# KiCad board keyboard.kicad_pcb (continued)
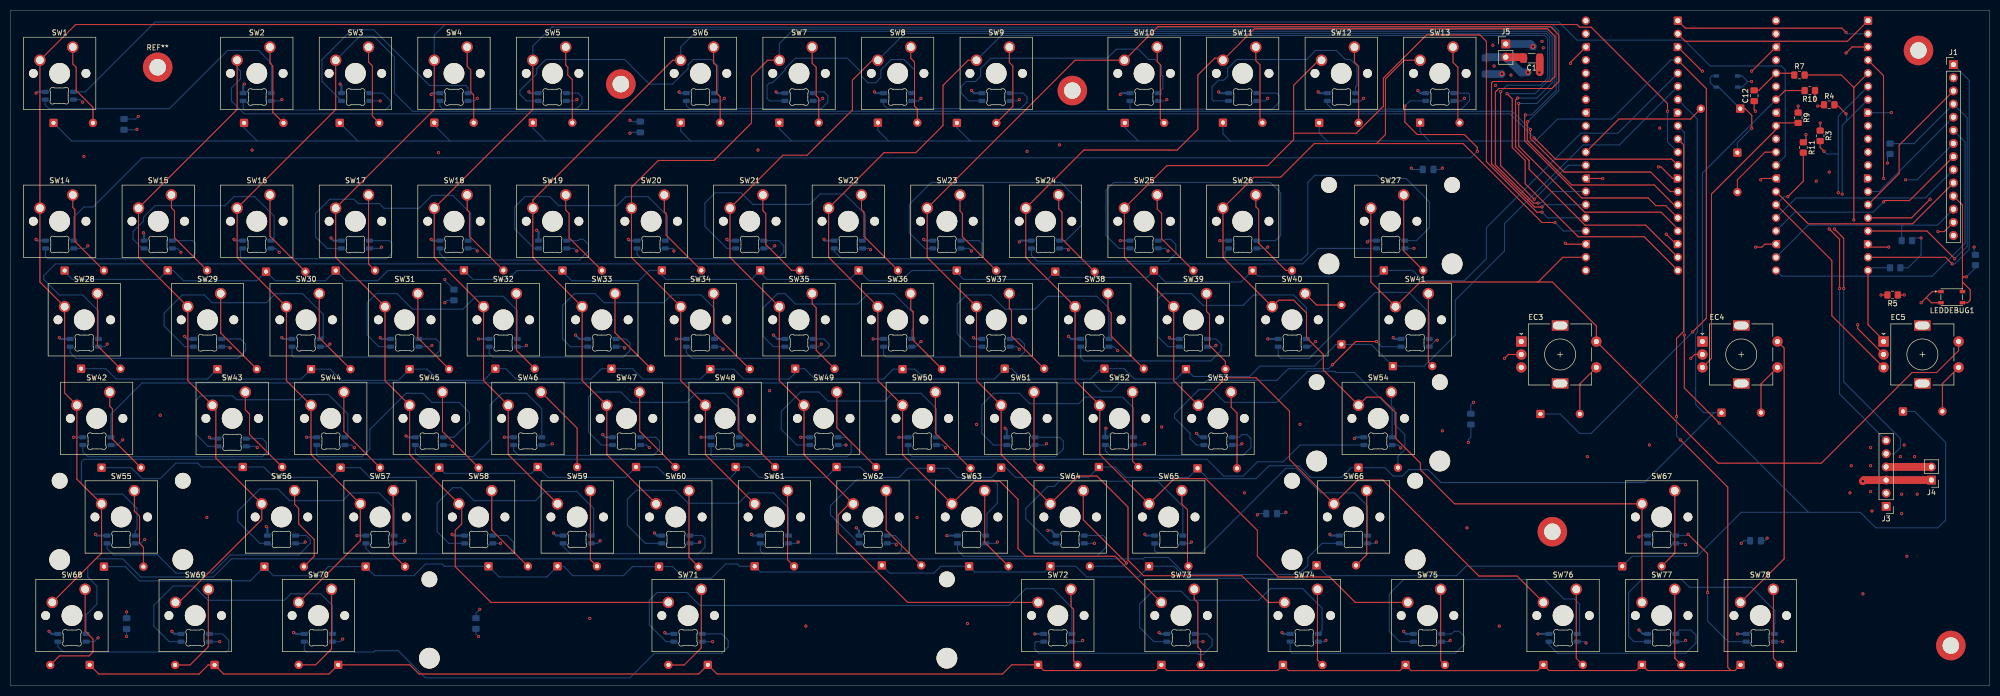
[diagram p0: board, top side]
## Footprints (pads in the part's own frame, mm; a bottom-side part is the same pattern mirrored in y, then rotated)
C_0805_2012Metric_Pad1.18x1.45mm_HandSolder
  rrect 1.175x1.45 smd: 1(-1.038,0) 2(1.038,0)
C_1206_3216Metric_Pad1.33x1.80mm_HandSolder
  rrect 1.325x1.8 smd: 1(-1.562,0) 2(1.562,0)
D_DO-35_SOD27_P7.62mm_Horizontal
  rrect 1.6x1.6 hole 0.8: 1(0,0)
  round 1.6 hole 0.8: 2(7.62,0)
LED_SK6812MINI-E_3.2x2.8mm_P1.5mm_ReverseMount
  rrect 1.35x0.82 smd: 1(-2.725,-0.75) 2(-2.725,0.75) 3(2.725,0.75) 4(2.725,-0.75)
MountingHole_3.2mm_M3_ISO7380_Pad
  round 5.7 hole 3.2: 1(0,0)
PinHeader_1x02_P2.54mm_Vertical
  rect 1.7x1.7 hole 1: 1(0,0)
  round 1.7 hole 1: 2(0,-2.54)
PinHeader_1x06_P2.54mm_Vertical
  rect 1.7x1.7 hole 1: 1(0,0)
  round 1.7 hole 1: 2(0,-2.54) 3(0,-5.08) 4(0,-7.62) 5(0,-10.16) 6(0,-12.7)
PinHeader_1x14_P2.54mm_Vertical
  rect 1.7x1.7 hole 1: 1(0,0)
  round 1.7 hole 1: 2(0,-2.54) 3(0,-5.08) 4(0,-7.62) 5(0,-10.16) 6(0,-12.7) 7(0,-15.24) 8(0,-17.78) 9(0,-20.32) 10(0,-22.86) 11(0,-25.4) 12(0,-27.94) 13(0,-30.48) 14(0,-33.02)
R_0805_2012Metric_Pad1.20x1.40mm_HandSolder
  rrect 1.2x1.4 smd: 1(-1,0) 2(1,0)
RaspberryPi_Pico_Common_THT
  rrect 1.6x1.6 hole 1: 1(0,0)
  round 1.6 hole 1: 2(0,-2.54) 4(0,-7.62) 5(0,-10.16) 6(0,-12.7) 7(0,-15.24) 9(0,-20.32) 10(0,-22.86) 11(0,-25.4) 12(0,-27.94) 14(0,-33.02) 15(0,-35.56) 16(0,-38.1) 17(0,-40.64) 19(0,-45.72) 20(0,-48.26) 21(17.78,-48.26) 22(17.78,-45.72) 24(17.78,-40.64) 25(17.78,-38.1) 26(17.78,-35.56) 27(17.78,-33.02) 29(17.78,-27.94) 30(17.78,-25.4) 31(17.78,-22.86) 32(17.78,-20.32) 34(17.78,-15.24) 35(17.78,-12.7) 36(17.78,-10.16) 37(17.78,-7.62) 39(17.78,-2.54) 40(17.78,0)
  custom 1.6x1.6 hole 1: 3(0,-5.08) 8(0,-17.78) 13(0,-30.48) 18(0,-43.18) 23(17.78,-43.18) 28(17.78,-30.48) 33(17.78,-17.78) 38(17.78,-5.08)
RotaryEncoder_Alps_EC11E-Switch_Vertical_H20mm
  rect 2x2 hole 1: A(0,0)
  round 2 hole 1: B(0,-5) C(0,-2.5) S1(14.5,-5) S2(14.5,0)
  rect 3.2x2 hole 2.8x1.5: MP(7.5,3.1) MP(7.5,-8.1)
SW_Cherry_MX_1.00u_PCB
  round 1.7 hole 1.7 unplated: (-7.62,-5.08) (2.54,-5.08)
  round 4 hole 4 unplated: (-2.54,-5.08)
  round 2.2 hole 1.5: 1(0,0) 2(-6.35,-2.54)
SW_Cherry_MX_1.25u_PCB
  round 1.7 hole 1.7 unplated: (-7.62,-5.08) (2.54,-5.08)
  round 4 hole 4 unplated: (-2.54,-5.08)
  round 2.2 hole 1.5: 1(0,0) 2(-6.35,-2.54)
SW_Cherry_MX_1.50u_PCB
  round 1.7 hole 1.7 unplated: (-7.62,-5.08) (2.54,-5.08)
  round 4 hole 4 unplated: (-2.54,-5.08)
  round 2.2 hole 1.5: 1(0,0) 2(-6.35,-2.54)
SW_Cherry_MX_2.00u_PCB
  round 3.05 hole 3.05 unplated: (-14.44,1.92) (9.36,1.92)
  round 4 hole 4 unplated: (-14.44,-13.32) (-2.54,-5.08) (9.36,-13.32)
  round 1.7 hole 1.7 unplated: (-7.62,-5.08) (2.54,-5.08)
  round 2.2 hole 1.5: 1(0,0) 2(-6.35,-2.54)
SW_Cherry_MX_2.25u_PCB
  round 3.05 hole 3.05 unplated: (-14.44,1.92) (9.36,1.92)
  round 4 hole 4 unplated: (-14.44,-13.32) (-2.54,-5.08) (9.36,-13.32)
  round 1.7 hole 1.7 unplated: (-7.62,-5.08) (2.54,-5.08)
  round 2.2 hole 1.5: 1(0,0) 2(-6.35,-2.54)
SW_Cherry_MX_2.75u_PCB
  round 3.05 hole 3.05 unplated: (-14.44,1.92) (9.36,1.92)
  round 4 hole 4 unplated: (-14.44,-13.32) (-2.54,-5.08) (9.36,-13.32)
  round 1.7 hole 1.7 unplated: (-7.62,-5.08) (2.54,-5.08)
  round 2.2 hole 1.5: 1(0,0) 2(-6.35,-2.54)
SW_Cherry_MX_6.25u_PCB
  round 3.05 hole 3.05 unplated: (-52.54,1.92) (47.46,1.92)
  round 4 hole 4 unplated: (-52.54,-13.32) (-2.54,-5.08) (47.46,-13.32)
  round 1.7 hole 1.7 unplated: (-7.62,-5.08) (2.54,-5.08)
  round 2.2 hole 1.5: 1(0,0) 2(-6.35,-2.54)
SW_PTS810_SJM_250_SMTR_LFS
  rect 1.05x0.65 smd: 1(-2.075,1.075) 1(-2.075,-1.075) 2(2.075,1.075) 2(2.075,-1.075)
unnamed
  round 5.7 hole 3.2: 1(0,0)

## Nets
GND: A1.3 A1.8 A1.13 A1.18 A1.23 A1.28 A1.38 A2.3 A2.8 A2.13 A2.18 A2.23 A2.28 A2.38 C1.1 C2.2 C3.2 C4.2 C5.2 C6.2 C7.2 C8.2 C9.2 C10.2 C11.2 C12.1 D76.1 D80.1 D81.1 D82.1 D83.1 D84.1 D85.1 D86.1 D87.1 D88.1 D89.1 D90.1 D91.1 D92.1 D93.1 D94.1 D95.1 D96.1 D97.1 D98.1 D99.1 D100.1 D101.1 D102.1 D103.1 D104.1 D105.1 D106.1 D107.1 D108.1 D109.1 D110.1 D111.1 D112.1 D113.1 D114.1 D115.1 D116.1 D117.1 D118.1 D119.1 D120.1 D121.1 D122.1 D123.1 D124.1 D125.1 D126.1 D127.1 D128.1 D129.1 D130.1 D131.1 D132.1 D133.1 D134.1 D135.1 D136.1 D137.1 D138.1 D139.1 D140.1 D141.1 D142.1 D143.1 D144.1 D145.1 D146.1 D147.1 D148.1 D149.1 D150.1 D151.1 D152.1 D153.1 D154.1 D155.1 D156.1 DEBUG1.1 EC3.C EC4.C EC5.C J1.13 J3.3 J4.1 J5.1 LEDDEBUG1.1
CLK: A2.24 J1.8
COL0: A1.11 SW1.2 SW14.2 SW28.2 SW42.2 SW55.2 SW68.2
COL1: A1.12 SW2.2 SW15.2 SW29.2 SW43.2 SW56.2 SW69.2
COL2: A1.14 SW3.2 SW16.2 SW30.2 SW44.2 SW57.2 SW70.2
COL3: A1.15 SW4.2 SW17.2 SW31.2 SW45.2 SW58.2 SW71.2
COL4: A1.16 SW5.2 SW18.2 SW32.2 SW46.2 SW59.2
COL5: A1.17 SW6.2 SW19.2 SW33.2 SW47.2 SW60.2
COL6: A1.19 SW7.2 SW20.2 SW34.2 SW48.2 SW61.2
COL7: A1.20 SW8.2 SW21.2 SW35.2 SW49.2 SW62.2 SW72.2
COL8: A1.29 SW9.2 SW22.2 SW36.2 SW50.2 SW63.2 SW73.2
COL9: A1.27 SW10.2 SW23.2 SW37.2 SW51.2 SW64.2 SW74.2
COL10: A1.26 SW11.2 SW24.2 SW38.2 SW52.2 SW65.2 SW75.2
COL11: A1.25 SW12.2 SW25.2 SW39.2 SW53.2 SW66.2 SW76.2
COL12: A1.24 SW13.2 SW26.2 SW40.2 SW54.2 SW67.2 SW77.2
COL13: A1.22 EC3.S2 EC4.S2 EC5.S2 SW27.2 SW41.2 SW78.2
CS: A2.22 J1.12 R2.1
DC: A2.27 J1.10
E1A: A2.5 EC3.A R7.2
E1B: A2.4 EC3.B R5.2
E2A: A2.34 EC4.A R10.2
E2B: A2.32 EC4.B R9.2
E3A: A2.20 EC5.A R12.2
E3B: A2.26 EC5.B R11.2
LED1: D91.4 D92.2
LED2: D105.4 D106.2
LED3: D119.4 D120.2
LED4: D132.4 D133.2
LED5: D145.4 D146.2
LEDData: A2.29 D76.2
LEDPWR: C1.2 C2.1 C3.1 C4.1 C5.1 C6.1 C7.1 C8.1 C9.1 C10.1 C11.1 D76.3 D80.3 D81.3 D82.3 D83.3 D84.3 D85.3 D86.3 D87.3 D88.3 D89.3 D90.3 D91.3 D92.3 D93.3 D94.3 D95.3 D96.3 D97.3 D98.3 D99.3 D100.3 D101.3 D102.3 D103.3 D104.3 D105.3 D106.3 D107.3 D108.3 D109.3 D110.3 D111.3 D112.3 D113.3 D114.3 D115.3 D116.3 D117.3 D118.3 D119.3 D120.3 D121.3 D122.3 D123.3 D124.3 D125.3 D126.3 D127.3 D128.3 D129.3 D130.3 D131.3 D132.3 D133.3 D134.3 D135.3 D136.3 D137.3 D138.3 D139.3 D140.3 D141.3 D142.3 D143.3 D144.3 D145.3 D146.3 D147.3 D148.3 D149.3 D150.3 D151.3 D152.3 D153.3 D154.3 D155.3 D156.3 J5.2
MASTERPWR: A1.36
MISO: A2.21 J1.6
MOSI: A2.25 J1.9
ROW0: A1.4 D1.1 D2.1 D3.1 D4.1 D5.1 D6.1 D7.1 D8.1 D9.1 D10.1 D11.1 D12.1 D13.1 D158.1
ROW1: A1.5 D14.1 D15.1 D16.1 D17.1 D18.1 D19.1 D20.1 D21.1 D22.1 D23.1 D24.1 D25.1 D26.1 D75.1
ROW2: A1.6 D27.1 D28.1 D29.1 D30.1 D31.1 D32.1 D33.1 D34.1 D35.1 D36.1 D37.1 D38.1 D39.1 D74.1
ROW3: A1.7 D40.1 D41.1 D42.1 D43.1 D44.1 D45.1 D46.1 D47.1 D48.1 D49.1 D50.1 D51.1 D52.1 D159.1
ROW4: A1.9 D53.1 D54.1 D55.1 D56.1 D57.1 D58.1 D59.1 D60.1 D61.1 D62.1 D63.1 D64.1 D65.1 D160.1
ROW5: A1.10 D66.1 D67.1 D68.1 D69.1 D70.1 D71.1 D72.1 D73.1 D77.1 D78.1 D79.1
RUN: D157.1 D161.1 DEBUG1.2
SCL: A2.7 J3.5 R4.2
SDA: A2.6 J3.6 R3.2
SLAVEPWR: A2.36 C12.2 J1.7 J1.14 R1.1 R2.2 R3.1 R4.1 R5.1 R6.1 R7.1 R9.1 R10.1 R11.1 R12.1
T_CLK: A2.14 J1.5
T_CS: A2.17 J1.4 R6.2
T_INT: A2.19 J1.1
T_MISO: A2.16 J1.2
T_MOSI: A2.15 J1.3
UART0_RX: A1.2 A2.1
UART0_TX: A1.1 A2.2
V+: J3.4 J4.2
Net-(A1-RUN): A1.30 D157.2
Net-(A2-RUN): A2.30 D161.2
Net-(D1-A): D1.2 SW1.1
Net-(D2-A): D2.2 SW2.1
Net-(D3-A): D3.2 SW3.1
Net-(D4-A): D4.2 SW4.1
Net-(D5-A): D5.2 SW5.1
Net-(D6-A): D6.2 SW6.1
Net-(D7-A): D7.2 SW7.1
Net-(D8-A): D8.2 SW8.1
Net-(D9-A): D9.2 SW9.1
Net-(D10-A): D10.2 SW10.1
Net-(D11-A): D11.2 SW11.1
Net-(D12-A): D12.2 SW12.1
Net-(D13-A): D13.2 SW13.1
Net-(D14-A): D14.2 SW14.1
Net-(D15-A): D15.2 SW15.1
Net-(D16-A): D16.2 SW16.1
Net-(D17-A): D17.2 SW17.1
Net-(D18-A): D18.2 SW18.1
Net-(D19-A): D19.2 SW19.1
Net-(D20-A): D20.2 SW20.1
Net-(D21-A): D21.2 SW21.1
Net-(D22-A): D22.2 SW22.1
Net-(D23-A): D23.2 SW23.1
Net-(D24-A): D24.2 SW24.1
Net-(D25-A): D25.2 SW25.1
Net-(D26-A): D26.2 SW26.1
Net-(D27-A): D27.2 SW28.1
Net-(D28-A): D28.2 SW29.1
Net-(D29-A): D29.2 SW30.1
Net-(D30-A): D30.2 SW31.1
Net-(D31-A): D31.2 SW32.1
Net-(D32-A): D32.2 SW33.1
Net-(D33-A): D33.2 SW34.1
Net-(D34-A): D34.2 SW35.1
Net-(D35-A): D35.2 SW36.1
Net-(D36-A): D36.2 SW37.1
Net-(D37-A): D37.2 SW38.1
Net-(D38-A): D38.2 SW39.1
Net-(D39-A): D39.2 SW40.1
Net-(D40-A): D40.2 SW42.1
Net-(D41-A): D41.2 SW43.1
Net-(D42-A): D42.2 SW44.1
Net-(D43-A): D43.2 SW45.1
Net-(D44-A): D44.2 SW46.1
Net-(D45-A): D45.2 SW47.1
Net-(D46-A): D46.2 SW48.1
Net-(D47-A): D47.2 SW49.1
Net-(D48-A): D48.2 SW50.1
Net-(D49-A): D49.2 SW51.1
Net-(D50-A): D50.2 SW52.1
Net-(D51-A): D51.2 SW53.1
Net-(D52-A): D52.2 SW54.1
Net-(D53-A): D53.2 SW55.1
Net-(D54-A): D54.2 SW56.1
Net-(D55-A): D55.2 SW57.1
Net-(D56-A): D56.2 SW58.1
Net-(D57-A): D57.2 SW59.1
Net-(D58-A): D58.2 SW60.1
Net-(D59-A): D59.2 SW61.1
Net-(D60-A): D60.2 SW62.1
Net-(D61-A): D61.2 SW63.1
Net-(D62-A): D62.2 SW64.1
Net-(D63-A): D63.2 SW65.1
Net-(D64-A): D64.2 SW66.1
Net-(D65-A): D65.2 SW67.1
Net-(D66-A): D66.2 SW68.1
Net-(D67-A): D67.2 SW69.1
Net-(D68-A): D68.2 SW70.1
Net-(D69-A): D69.2 SW71.1
Net-(D70-A): D70.2 SW72.1
Net-(D71-A): D71.2 SW73.1
Net-(D72-A): D72.2 SW74.1
Net-(D73-A): D73.2 SW75.1
Net-(D74-A): D74.2 SW41.1
Net-(D75-A): D75.2 SW27.1
Net-(D76-DOUT): D76.4 D80.2
Net-(D77-A): D77.2 SW76.1
Net-(D78-A): D78.2 SW77.1
Net-(D79-A): D79.2 SW78.1
Net-(D80-DOUT): D80.4 D81.2
Net-(D81-DOUT): D81.4 D82.2
Net-(D82-DOUT): D82.4 D83.2
Net-(D83-DOUT): D83.4 D84.2
Net-(D84-DOUT): D84.4 D85.2
Net-(D85-DOUT): D85.4 D86.2
Net-(D86-DOUT): D86.4 D87.2
Net-(D87-DOUT): D87.4 D88.2
Net-(D88-DOUT): D88.4 D89.2
Net-(D89-DOUT): D89.4 D90.2
Net-(D90-DOUT): D90.4 D91.2
Net-(D92-DOUT): D92.4 D93.2
Net-(D93-DOUT): D93.4 D94.2
Net-(D94-DOUT): D94.4 D95.2
Net-(D95-DOUT): D95.4 D96.2
Net-(D96-DOUT): D96.4 D97.2
Net-(D97-DOUT): D97.4 D98.2
Net-(D98-DOUT): D98.4 D99.2
Net-(D100-DIN): D99.4 D100.2
Net-(D100-DOUT): D100.4 D101.2
Net-(D101-DOUT): D101.4 D102.2
Net-(D102-DOUT): D102.4 D103.2
Net-(D103-DOUT): D103.4 D104.2
Net-(D104-DOUT): D104.4 D105.2
Net-(D106-DOUT): D106.4 D107.2
Net-(D107-DOUT): D107.4 D108.2
Net-(D108-DOUT): D108.4 D109.2
Net-(D109-DOUT): D109.4 D110.2
Net-(D110-DOUT): D110.4 D111.2
Net-(D111-DOUT): D111.4 D112.2
Net-(D112-DOUT): D112.4 D113.2
Net-(D113-DOUT): D113.4 D114.2
Net-(D114-DOUT): D114.4 D115.2
Net-(D115-DOUT): D115.4 D116.2
Net-(D116-DOUT): D116.4 D117.2
Net-(D117-DOUT): D117.4 D118.2
Net-(D118-DOUT): D118.4 D119.2
Net-(D120-DOUT): D120.4 D121.2
Net-(D121-DOUT): D121.4 D122.2
Net-(D122-DOUT): D122.4 D123.2
Net-(D123-DOUT): D123.4 D124.2
Net-(D124-DOUT): D124.4 D125.2
Net-(D125-DOUT): D125.4 D126.2
Net-(D126-DOUT): D126.4 D127.2
Net-(D127-DOUT): D127.4 D128.2
Net-(D128-DOUT): D128.4 D129.2
Net-(D129-DOUT): D129.4 D130.2
Net-(D130-DOUT): D130.4 D131.2
Net-(D131-DOUT): D131.4 D132.2
Net-(D133-DOUT): D133.4 D134.2
Net-(D134-DOUT): D134.4 D135.2
Net-(D135-DOUT): D135.4 D136.2
Net-(D136-DOUT): D136.4 D137.2
Net-(D137-DOUT): D137.4 D138.2
Net-(D138-DOUT): D138.4 D139.2
Net-(D139-DOUT): D139.4 D140.2
Net-(D140-DOUT): D140.4 D141.2
Net-(D141-DOUT): D141.4 D142.2
Net-(D142-DOUT): D142.4 D143.2
Net-(D143-DOUT): D143.4 D144.2
Net-(D144-DOUT): D144.4 D145.2
Net-(D146-DOUT): D146.4 D147.2
Net-(D147-DOUT): D147.4 D148.2
Net-(D148-DOUT): D148.4 D149.2
Net-(D149-DOUT): D149.4 D150.2
Net-(D150-DOUT): D150.4 D151.2
Net-(D151-DOUT): D151.4 D152.2
Net-(D152-DOUT): D152.4 D153.2
Net-(D153-DOUT): D153.4 D154.2
Net-(D154-DOUT): D154.4 D155.2
Net-(D155-DOUT): D155.4 D156.2
Net-(D158-A): D158.2 EC3.S1
Net-(D159-A): D159.2 EC4.S1
Net-(D160-A): D160.2 EC5.S1
Net-(J1-Pin_11): J1.11 LEDDEBUG1.2 R1.2

Pads without a net: A1 21 31 32 33 34 35 37 39 40; A2 9 10 11 12 31 33 35 37 39 40; D156 4; EC3 MP; EC4 MP; EC5 MP; J3 1 2; NOREF 1; NOREF#2 1; NOREF#3 1; NOREF#4 1; NOREF#5 1; REF** 1

## Via types
v1: diameter 0.6, hole 0.3, Top to Bottom, 293 vias
v2: diameter 1, hole 0.5, Top to Bottom, 5 vias

## Routing (per net, layer and track width the routed paths; a pad name or vN(x,y) marks a point on that pad's centre or on a via; arc(x,y) is an arc through that point)
GND: length 308.6
  Top w0.2: A2.18 359.53,84.75 v1(362.96,84.75) ; v1(356.96,69.75) 356.96,69 EC5.C ; 370.21,75 371.21,74 LEDDEBUG1.1 ; 370.21,75 371.36,76.15 LEDDEBUG1.1 ; 370.21,75 v1(369.21,74) ; A1.28 307.69,98.02 v1(307.71,98) ; v1(326.96,118.75) 326.88,118.75 A1.3 ; v1(338.21,97.75) 338.48,98.02 A2.28 ; A1.18 321.89,85.32 v1(319.96,87.25) ; A2.13 358.44,98.02 ; v1(372.46,87.75) 373.69,87.75 J1.13 ; v1(301.46,120.25) 301.46,120.45 A1.38 ; EC3.C 289.46,64 v1(288.71,63.25) ; v1(354.71,122.25) 355.88,123.42 A2.3 ; v1(300.46,85.5) 300.64,85.32 A1.23 ; A2.38 336.51,118.75 v1(336.46,118.75) ; A1.13 321.19,98.02 318.96,100.25 v1(318.46,100.25) ; 371.21,39.73 J4.1 ; A2.23 339.03,85.32 338.46,84.75 v1(337.21,84.75) ; v1(337.21,111) 336.96,111.25 C12.1 ; v1(324.71,63.25) 325.46,64 EC4.C ; 295.53,118.56 v2(295.46,118.5)
  Top w1.5: 371.21,39.73 J3.3 358.19,39.73 v2(357.96,39.5) ; C1.1 295.53,118.56
  In2.Cu w0.2: v1(318.71,107.75) 321.69,110.72 A1.8 ; A2.13 352.69,98.02 v1(351.46,99.25) ; A2.28 348.44,98.02 v1(348.96,97.5)
  Bottom w0.2: D76.1 13.46,113.25 v1(13.96,112.75) ; v1(194.97,65) 194.47,65.5 D115.1 ; D130.1 218.97,46.5 v1(219.22,46.75) ; v1(71.72,84.75) 71.47,84.5 69.4,84.5 ; C10.2 89.97,14 v1(90.72,14.75) ; v1(263.96,27.75) 263.71,27.5 D144.1 ; D108.1 61.22,65.5 v1(61.73,66.01) ; D83.1 109.22,113 v1(109.47,113.25) ; v1(42.47,65.25) 42.22,65.5 D107.1 ; v1(18.71,66) 18.21,65.5 D106.1 ; D126.1 v1(142.47,46.5) ; D109.1 81.22,65.5 v1(81.47,65.75) ; D98.1 127.97,84.5 128.22,84.25 v1(128.22,84) ; v1(90.22,84) 89.72,84.5 D96.1 ; D102.1 204.18,84.5 v1(204.45,84.23) ; D124.1 104.47,46.5 v1(104.72,46.75) ; D117.1 232.72,65.5 v1(232.97,65.75) ; v1(275.71,66.75) 275.44,66.75 D119.1 ; v1(323.71,27.25) 323.46,27.5 D156.1 ; D94.1 51.22,84.5 v1(51.97,83.75) ; v1(242.97,84.75) 242.72,84.5 240.85,84.5 ; A2.8 363.44,110.72 v1(363.46,110.75) ; v1(213.97,64.75) 213.22,65.5 D116.1 ; v1(16.96,9.25) 16.21,8.5 D145.1 ; D154.1 323.46,8.5 v1(323.71,8.75) ; D149.1 206.97,8.5 v1(207.22,8.75) ; C6.2 119.89,106.92 v1(119.72,106.75) ; D134.1 56.72,27.5 v1(56.97,27.75) ; v1(85.47,46.25) 85.22,46.5 D123.1 ; D128.1 180.18,46.5 v1(180.7,45.98) ; DEBUG1.1 334.64,115.67 335.71,116.75 ; v1(268.67,45.95) 268.12,46.5 267,46.5 ; v1(123.47,46) 122.97,46.5 D125.1 ; 240.85,113 242.47,113 v1(242.97,113.5) ; v1(334.46,27.5) 334.96,28 C8.2 ; v1(175.97,66.5) 174.97,65.5 D114.1 ; v1(223.47,113.25) 223.22,113 D88.1 ; v1(228.22,27.75) 227.97,27.5 D143.1 ; D133.1 25.21,27.5 v1(25.96,28.25) ; v1(156.97,113.5) 156.47,113 D85.1 ; D111.1 118.47,65.5 v1(118.72,65.25) ; v1(254.22,8.75) 253.97,8.5 D151.1 ; v1(133.22,27.75) 132.97,27.5 D138.1 ; 288.15,118.19 v2(288.21,118.25) ; C5.2 282.21,54.25 v1(282.71,54.75) ; D112.1 137.22,65.5 v1(137.72,65) ; D135.1 75.97,27.5 76.22,27.75 v1(76.22,28) ; D80.1 52.22,113 v1(52.47,113.25) ; 335.71,116.75 334.64,117.83 DEBUG1.1 ; 335.71,116.75 v1(336.46,116.75) ; v1(185.72,84) 185.22,84.5 D101.1 ; 12.25,84.5 14.46,84.5 v1(14.96,85) ; D120.1 20.71,46.5 v1(21.71,47.5) ; D82.1 89.72,113 v1(90.22,113.5) ; v1(147.72,85) 147.22,84.5 D99.1 ; v1(32.97,83.75) 32.22,84.5 D93.1 ; D121.1 47.47,46.25 v1(47.72,46) ; v1(166.22,84.25) 165.97,84.5 D100.1 ; v1(223.72,84) 223.22,84.5 D103.1 ; v1(190.72,27.75) 190.47,27.5 D141.1 ; D153.1 304.21,8.5 v1(304.46,8.25) ; D113.1 156.22,65.5 v1(156.72,66) ; v1(240.97,33) 241.22,33.25 C9.2 ; v1(137.97,113.5) 137.47,113 D84.1 ; C3.2 270.96,99.75 v1(270.71,100) ; D155.1 v1(342.46,8.5) ; D142.1 v1(209.47,27.5) ; v1(171.2,27.23) 170.93,27.5 D140.1 ; D146.1 v1(40.47,8.5) ; v1(280.96,113.5) 280.46,113 D91.1 ; v1(99.72,65.75) 99.47,65.5 D110.1 ; D87.1 194.72,113 v1(194.97,113.25) ; v1(175.97,113.5) 175.47,113 D86.1 ; v1(94.72,27.51) 94.72,27.5 D136.1 ; D147.1 63.72,8.5 v1(64.22,9) ; C4.2 84.43,74.46 v1(83.97,74) ; v1(278.21,8.75) 277.96,8.5 D152.1 ; v1(113.97,28) 113.47,27.5 D137.1 ; D105.1 v1(271.21,84.5) ; D90.1 260.96,113 v1(261.46,113.5) ; D97.1 108.97,84.5 v1(109.47,84) ; D81.1 v1(71.47,113) ; v1(66.47,46) 65.97,46.5 D122.1 ; D129.1 199.97,46.5 v1(200.22,46.75) ; D127.1 v1(161.47,46.5) ; D118.1 251.22,65.5 v1(252.22,66.5) ; D150.1 v1(230.47,8.5) ; C11.2 v1(22.46,9.5) ; C7.2 24.21,109.5 v1(24.71,110) ; D131.1 237.72,46.5 v1(237.97,46.75) ; D139.1 151.97,27.5 v1(152.22,27.75) ; D148.1 v1(135.72,8.5)
  Bottom w1.5: J5.1 293.71,124 v2(294.21,123.5) ; C2.2 288.15,118.19
  vias: v1(14.21,102.25) v1(28.96,52.25) v1(37.97,32.5) v1(46.72,103.5) v1(82.72,103) v1(111.97,13) v1(144.47,103.5) v1(146.72,57) v1(153.72,11.5) v1(175.22,32.5) v1(184.97,12) v1(186.72,50.5) v1(196.47,103.25) v1(202.72,104.5) v1(222.47,50) v1(238.47,37.25) v1(249.22,50.5) v1(276.71,49.25) v1(281.46,30.5) v1(286.46,123.75) v1(286.71,119.75) v1(286.96,116) v1(287.71,11.5) v1(289.96,118) v1(295.96,124.5) v1(296.21,123.25) v1(304.71,44.25) v1(316.71,46.5) v1(355.46,37.25) v1(355.71,42.5) v1(357.96,17.75) v1(359.46,46) v1(359.46,42.5) v1(359.46,37.5) v1(359.71,33.75) v1(365.21,44.25) v1(365.46,37) v1(365.46,33.25) v1(365.96,46.5) v1(366.46,25) v1(367.96,44.25) v1(368.46,37)
CLK: length 40.2
  Top w0.2: v1(361.96,93.5) 362.21,93.75 366.98,93.75 J1.8
  Bottom w0.2: v1(361.96,93.5) 359.96,91.5 344.82,91.5 A2.24
COL0: length 447.6
  Top w0.2: SW68.2 17.62,25.61 17.62,35.14 12.86,39.9 SW42.2 10.48,56.57 SW28.2 5.71,78 SW14.2 SW1.2 12.61,127.75 302.71,127.75 303.21,127.25 305.46,127.25 320.21,112.5 v1(320.21,111)
  Bottom w0.2: v1(320.21,111) 320.21,105.1 A1.11
COL1: length 423.5
  Top w0.2: SW2.2 43.81,111.34 SW15.2 24.76,82.76 SW29.2 34.29,58.95 SW43.2 39.72,53.52 39.72,44 48.58,35.14 48.58,32.11 32.55,16.09 SW69.2 ; A1.12 321.02,101.75 298.56,101.75 v1(294.46,105.85)
  Bottom w0.2: 43.72,120.76 SW2.2 43.81,119.4 44.47,118.75 44.47,117.25 42.72,115.5 42.72,113 45.22,110.5 289.81,110.5 v1(294.46,105.85)
COL2: length 406.3
  Top w0.2: SW70.2 67.63,27.99 67.63,35.14 58.1,44.66 SW44.2 53.34,58.95 SW30.2 43.81,82.76 SW16.2 62.87,111.34 SW3.2 ; v1(293.71,107.5) 293.71,105.75 300.22,99.25 316.96,99.25 320.73,95.48 A1.14
  Bottom w0.2: v1(293.71,107.5) 290.21,111 77.72,111 74.22,114.5 74.22,121.5 70.22,125.5 67.51,125.5 SW3.2
COL3: length 441.8
  Top w0.2: SW4.2 81.92,111.34 SW17.2 62.87,82.76 72.39,73.23 72.39,58.95 SW45.2 77.15,44.66 87.22,34.6 87.22,31.25 85.97,30 85.97,23 92.88,16.09 SW71.2 ; v1(293.21,109) 293.11,108.9 293.11,105.35 301.71,96.75 317.65,96.75 321.46,92.94 A1.15
  Bottom w0.2: SW4.2 81.92,125.7 83.97,127.75 297.96,127.75 299.21,126.5 299.21,115 v1(293.21,109)
COL4: length 366.3
  Top w0.2: v1(292.76,110.3) 292.61,110.15 292.61,105.28 303.65,94.25 316.46,94.25 317.96,92.75 319.86,92.75 A1.16 ; 105.73,35.14 96.2,44.66 SW46.2 91.44,58.95 SW32.2 81.92,82.76 SW18.2 100.97,111.34 SW5.2
  Bottom w0.2: SW5.2 100.97,123.6 104.72,127.35 104.81,127.25 297.9,127.25 298.71,126.43 298.71,115.07 293.95,110.3 v1(292.76,110.3) 292.48,110.3
COL5: length 345.6
  Top w0.2: A1.17 322.21,88.25 318.96,91.5 304.21,91.5 291.46,104.25 v1(291.46,112.5) ; 124.78,35.14 115.25,44.66 SW47.2 110.49,58.95 SW33.2 100.97,82.76 SW19.2 100.97,93.84 127.98,120.86 SW6.2
  Bottom w0.2: v1(291.46,112.5) 294.96,112.5 298.31,115.85 298.31,125.65 297.11,126.85 132.97,126.85 129.54,123.42 SW6.2
COL6: length 336.6
  Top w0.2: SW7.2 146.33,120.86 143.22,117.75 143.22,108.75 135.97,101.5 125.22,101.5 120.02,96.3 SW20.2 120.02,82.76 SW34.2 129.54,58.95 SW48.2 134.3,44.66 143.83,35.14 ; A1.19 315.99,89 304.28,89 293.46,99.81 293.46,101.5 290.86,104.1 290.86,113.15 v1(291.26,113.55)
  Bottom w0.2: SW7.2 148.59,124.08 150.97,126.45 296.95,126.45 297.91,125.48 297.91,116.5 294.96,113.55 v1(291.26,113.55)
COL7: length 367.4
  Top w0.2: SW8.2 166.58,120.86 162.72,117 162.72,111.25 153.97,102.5 149.28,102.5 SW21.2 139.06,82.76 SW35.2 148.59,58.95 SW49.2 153.35,44.66 162.88,35.14 162.1,35.14 159.97,33 159.97,29.5 173.38,16.09 SW72.2 ; v1(289.21,114.4) 290.21,113.4 290.21,104 292.71,101.5 292.71,97 302.96,86.75 315.7,86.75 A1.20
  Bottom w0.2: SW8.2 172.83,126.05 296.78,126.05 297.46,125.37 297.46,117.25 294.61,114.4 v1(289.21,114.4)
COL8: length 336.1
  Top w0.2: SW9.2 185.08,120.86 180.22,116 180.22,108.25 174.97,103 168.83,103 SW22.2 158.12,82.76 SW36.2 167.64,58.95 SW50.2 172.4,44.66 181.93,35.14 186.29,39.5 191.22,39.5 194.72,36 194.72,26.5 196.22,25 213.49,25 SW73.2 ; v1(294.46,94) 287.96,100.5 v1(287.96,114.8)
  Bottom w0.2: v1(294.46,94) 301.02,100.56 A1.29 ; v1(287.96,114.8) 289.2,116.03 295.68,116.03 297.06,117.42 297.06,125.05 296.46,125.65 191.48,125.65 SW9.2
COL9: length 325.5
  Top w0.2: v1(295.21,93.25) 294.37,93.25 286.96,100.65 286.96,114.75 287.61,115.4 297.86,115.4 299.21,116.75 299.21,125.75 297.61,127.35 221.75,127.35 SW10.2 205.74,120.86 SW23.2 177.16,82.76 SW37.2 186.69,58.95 SW51.2 191.45,44.66 200.98,35.14 206.34,40.5 209.97,40.5 215.97,34.5 215.97,24.25 218.97,21.25 237.97,21.25 243.13,16.09 SW74.2
  Bottom w0.2: v1(295.21,93.25) 295.71,93.25 297.94,95.48 A1.27
COL10: length 313.6
  Top w0.2: v1(295.96,92.5) 294.55,92.5 286.21,100.84 286.21,116.5 286.46,116.75 297.46,116.75 298.46,117.75 298.46,125.5 297.01,126.95 240.41,126.95 SW11.2 233.92,121.25 232.72,121.25 229.47,118 229.47,107.5 225.47,103.5 207.43,103.5 SW24.2 196.22,82.76 SW38.2 205.74,58.95 SW52.2 210.5,44.66 220.03,35.14 224.89,40 230.97,40 240.97,30 240.97,25 244.97,21 254.97,21 259.88,16.09 SW75.2
  Bottom w0.2: v1(295.96,92.5) 296.4,92.94 A1.26
COL11: length 292
  Top w0.2: 247.97,106.75 247.97,105.5 242.97,100.5 223.48,100.5 SW25.2 215.27,82.76 224.79,73.23 224.79,58.95 SW53.2 234.87,59.5 240.72,59.5 247.17,53.04 247.17,43.71 255.75,35.14 260.36,39.75 265.21,39.75 283.79,21.17 291.14,21.17 SW76.2 ; 247.97,106.75 260.08,106.75 265.31,111.98 265.31,117.42 273.65,125.75 283.96,125.75 285.21,124.5 285.21,101.27 294.99,91.5 v1(295.96,91.5) ; 247.97,106.75 247.97,116 252.83,120.86 SW12.2
  Bottom w0.2: A1.25 297.06,90.4 v1(295.96,91.5)
COL12: length 243.5
  Top w0.2: 263.96,104.75 265.71,106.5 265.71,117.25 269.32,120.86 SW13.2 ; 263.96,104.75 280.71,104.75 295.96,89.5 v1(298.46,89.5) ; 263.96,104.75 251.97,104.75 245.47,98.25 240.28,98.25 SW26.2 234.32,82.76 SW40.2 245.1,74.5 247.97,74.5 250.47,72 250.47,67.25 253.72,64 253.72,60.98 SW54.2 262.07,55.75 264.71,55.75 267.71,52.75 267.71,47.75 272.46,43 272.46,41.75 279.08,35.14 315.28,35.14 SW77.2
  Bottom w0.2: A1.24 300.1,87.86 v1(298.46,89.5)
COL13: length 224.5
  Top w0.2: 295.21,78 272.42,78 SW41.2 262.89,78 SW27.2 ; 295.21,78 297.96,78 306.46,69.5 EC3.S2 329.96,43 342.76,43 ; 295.21,78 299.99,82.78 A1.22 ; 342.76,43 349.96,43 367.46,60.5 372.21,60.5 376.46,64.75 EC5.S2 ; 342.76,43 342.76,24.52 SW78.2 ; 342.76,43 342.76,65.2 EC4.S2
CS: length 41.2
  Bottom w0.2: 365.71,89 347.4,89 A2.22 ; 365.71,89 365.46,88.75 R2.1 ; 365.71,89 372.39,89 J1.12
DC: length 40.1
  Top w0.2: A2.27 347.41,89.25 367.56,89.25 J1.10
E1A: length 114
  Top w0.2: 356.21,115.59 353.8,118 R7.2 ; 356.21,115.59 v1(356.21,90) ; 356.21,115.59 A2.5
  In2.Cu w0.2: v1(356.21,90) 338.36,72.15 297.61,72.15 EC3.A
E1B: length 162.2
  Top w0.2: A2.4 361.96,117.88 v1(361.96,98) ; R5.2 v1(361.46,75.5)
  In2.Cu w0.2: 360.66,75.25 360.91,75.5 v1(361.46,75.5) ; 360.66,75.25 360.66,96.7 v1(361.96,98) ; 360.66,75.25 360.66,52.2 348.21,39.75 302.21,39.75 291.96,50 EC3.B
E2A: length 58.9
  Top w0.2: A2.34 342.92,115 R10.2
  Bottom w0.2: A2.34 326.96,99.04 EC4.A
E2B: length 57.1
  Top w0.2: R9.2 341.75,108.75 A2.32 341.19,107.47 328.71,95 328.71,63.25 EC4.B
E3A: length 19.4
  Top w0.2: A2.20 358.96,69.75 361.96,66.75 EC5.A
  Bottom w0.2: R12.2 359.47,80.75 A2.20
E3B: length 52.7
  Top w0.2: EC5.B 351.96,71.5 351.96,82.16 A2.26 ; v1(343.46,94.5) 346.46,97.5 R11.2
  Bottom w0.2: A2.26 342.74,94.5 v1(343.46,94.5)
LED1: length 305.3
  Top w0.2: v1(283.46,103.25) 283.46,104 280.96,106.5 271.86,106.5 269.46,108.9 v1(269.46,112)
  Bottom w0.2: D91.4 270.46,113 v1(269.46,112) ; v1(283.46,103.25) 282.21,102 25.46,102 15.96,92.5 14.21,92.5 12.25,90.53 12.25,86
LED2: length 279
  Bottom w0.2: D106.2 17.01,72.45 13.96,75.5 9.46,75.5 6.46,78.5 6.46,79.25 8.71,81.5 249.72,81.5 252.72,84.5 D105.4
LED3: length 261.6
  Top w0.2: v1(255.47,62) 259.96,66.5 v1(263.96,66.5)
  Bottom w0.2: v1(255.47,62) 254.72,61.25 246.97,61.25 244.72,59 231.22,59 230.72,58.5 214.12,58.5 214.12,58.29 212.75,56.92 210.8,56.92 209.42,58.29 209.42,58.5 25.46,58.5 19.44,52.47 D120.2 ; D119.4 264.96,65.5 v1(263.96,66.5)
LED4: length 274.2
  Bottom w0.2: D133.2 24.13,29.91 24.46,30.25 24.46,34.25 21.71,37 15.71,37 13.71,39 13.71,43.25 14.21,43.75 231.22,43.75 234.47,40.5 238.22,40.5 240.97,43.25 245.97,43.25 249.22,46.5 D132.4
LED5: length 40.7
  Bottom w0.2: D145.4 9.18,7.53 10.21,6.5 41.72,6.5 42.22,7 42.22,8.75 40.97,10 D146.2
LEDData: length 359.4
  Bottom w0.2: A2.29 342.96,102.34 342.96,119 342.21,119.75 328.46,119.75 323.46,124.75 302.71,124.75 299.21,128.25 27.96,128.25 14.46,114.75 D76.2
LEDPWR: length 182.7
  Top w1.5: C1.2 292.19,121.46 J5.2
  Bottom w0.2: C3.1 276.46,99.75 v1(276.71,100) ; C5.1 282.21,48 281.71,47.5 v1(281.71,47) ; C7.1 24.39,107.42 v1(24.46,107.5) ; C10.1 89.97,10 v1(90.47,9.5) ; v1(83.97,78.5) 83.97,78.29 C4.1 ; 25.85,87.36 v1(25.71,87.5) ; C8.1 338.96,28 v1(339.46,28.5) ; D156.3 314.93,29 v1(314.68,28.75) ; C11.1 v1(22.46,14.25) ; v1(246.47,33.5) 246.22,33.25 C9.1 ; C6.1 119.97,109 v1(119.72,109.25)
  Bottom w0.4: v1(33.69,67.5) 34.19,67 D107.3 ; v1(63.72,116.25) 63.99,115.97 D81.3 ; v1(233.47,114.75) 233.72,114.5 D89.3 ; D90.3 252.97,114.5 v1(252.72,114.75) ; v1(221.97,10.25) 222.22,10 D150.3 ; v1(211.72,49.75) 211.59,49.62 D130.3 ; v1(52.47,67.25) 52.72,67 D108.3 ; v1(185.72,115) 186.22,114.5 D87.3 ; D143.3 219.47,29 v1(219.22,29.25) ; v1(204.47,67.5) 204.97,67 D116.3 ; v1(194.97,85.75) 195.22,86 D102.3 ; D112.3 v1(128.72,67) ; v1(100.22,114.75) 100.47,114.5 D83.3 ; v1(143.22,29.25) 143.47,29 D139.3 ; D98.3 119.66,86 v1(119.41,86.25) ; D134.3 49.66,30.55 v1(49.47,30.75) ; v1(9.46,67.25) 9.71,67 D106.3 ; D105.3 262.46,86 v1(262.21,85.75) ; v1(85.37,29.25) 85.62,29 D136.3 ; v1(163.47,30.5) 163.99,29.97 D140.3 ; v1(76.47,48.25) 76.72,48 D123.3 ; v1(124.47,29.5) 124.97,29 D138.3 ; D135.3 v1(66.97,29) ; D155.3 v1(333.71,10) ; D131.3 229.97,48 v1(229.22,48.75) ; v1(54.72,10.25) 54.97,10.25 55.22,10 D147.3 ; D122.3 v1(57.22,48) ; D104.3 v1(233.72,86) ; D121.3 38.72,47.75 v1(38.47,48) ; v1(259.71,47.75) 259.96,48 D132.3 ; v1(157.22,86.25) 157.47,86 D100.3 ; D127.3 v1(152.72,48) ; v1(223.97,67.25) 224.22,67 D117.3 ; v1(245.72,10.25) 245.97,10 D151.3 ; v1(4.96,114.5) 5.21,114.75 D76.3 ; v1(31.21,10.5) 31.71,10 D146.3 ; D120.3 v1(12.21,48) ; v1(200.47,30) 201.06,30 D142.3 ; v1(126.47,10.25) 126.72,10 D148.3 ; D119.3 267.46,67 v1(267.21,67.25) ; D149.3 v1(197.97,10) ; D110.3 v1(90.47,67) ; D128.3 v1(171.72,48) ; D82.3 81.56,114.5 v1(81.31,114.25) ; v1(147.97,114.75) 148.22,114.5 D85.3 ; v1(71.47,67.25) 71.72,67 D109.3 ; v1(254.97,29.25) 255.22,29 D144.3 ; D95.3 62.47,86 v1(61.97,86.5) ; v1(192.22,49.75) 192.54,49.43 D129.3 ; D93.3 25.85,87.36 ; D111.3 109.97,67 v1(109.22,67.75) ; 216.35,114.5 214.72,114.5 v1(214.47,114.25) ; v1(314.71,10.75) 315.46,10 D154.3 ; v1(166.97,114.75) 167.22,114.5 D86.3 ; D141.3 v1(180.97,29) ; v1(45.22,116.25) 44.99,116.03 D80.3 ; v1(147.47,67.75) 148.22,67 D113.3 ; v1(81.31,86.25) 81.56,86 D96.3 ; D101.3 176.72,86 v1(176.47,86.25) ; D124.3 v1(95.47,48) ; v1(138.47,86.25) 138.72,86 D99.3 ; D92.3 5.21,86 v1(4.96,86.25) ; v1(271.96,115) 272.46,114.5 D91.3 ; v1(269.21,10.5) 269.71,10 D152.3 ; D115.3 186.34,67 v1(186.09,67.25) ; D118.3 v1(242.97,67) ; D153.3 v1(295.21,10) ; v1(7.46,10.5) 7.96,10 D145.3 ; v1(114.47,48.5) 114.97,48 D125.3 ; D137.3 105.47,29 v1(104.97,29.5) ; D84.3 129.47,114.5 v1(129.22,114.75) ; D126.3 v1(133.47,48) ; v1(101.72,88) 102.05,87.67 D97.3 ; D114.3 v1(166.72,67) ; v1(43.22,86.25) 43.47,86 D94.3 ; D133.3 16.71,29 v1(16.46,29.25) ; 216.35,86 v1(214.47,86)
  Bottom w1.5: C2.1 285.36,121.46 J5.2 291.92,118.5 v2(293.21,118.5)
